# Altium PCB PCBv1.1.PcbDoc
Units mm, origin at the board's own origin, x right, y up, seen from the top; angles counter-clockwise.
Board outline 110 x 55 mm, 2 copper layers (Top Layer, Bottom Layer); 46 components, 62 nets, 209 pads, 51 vias.
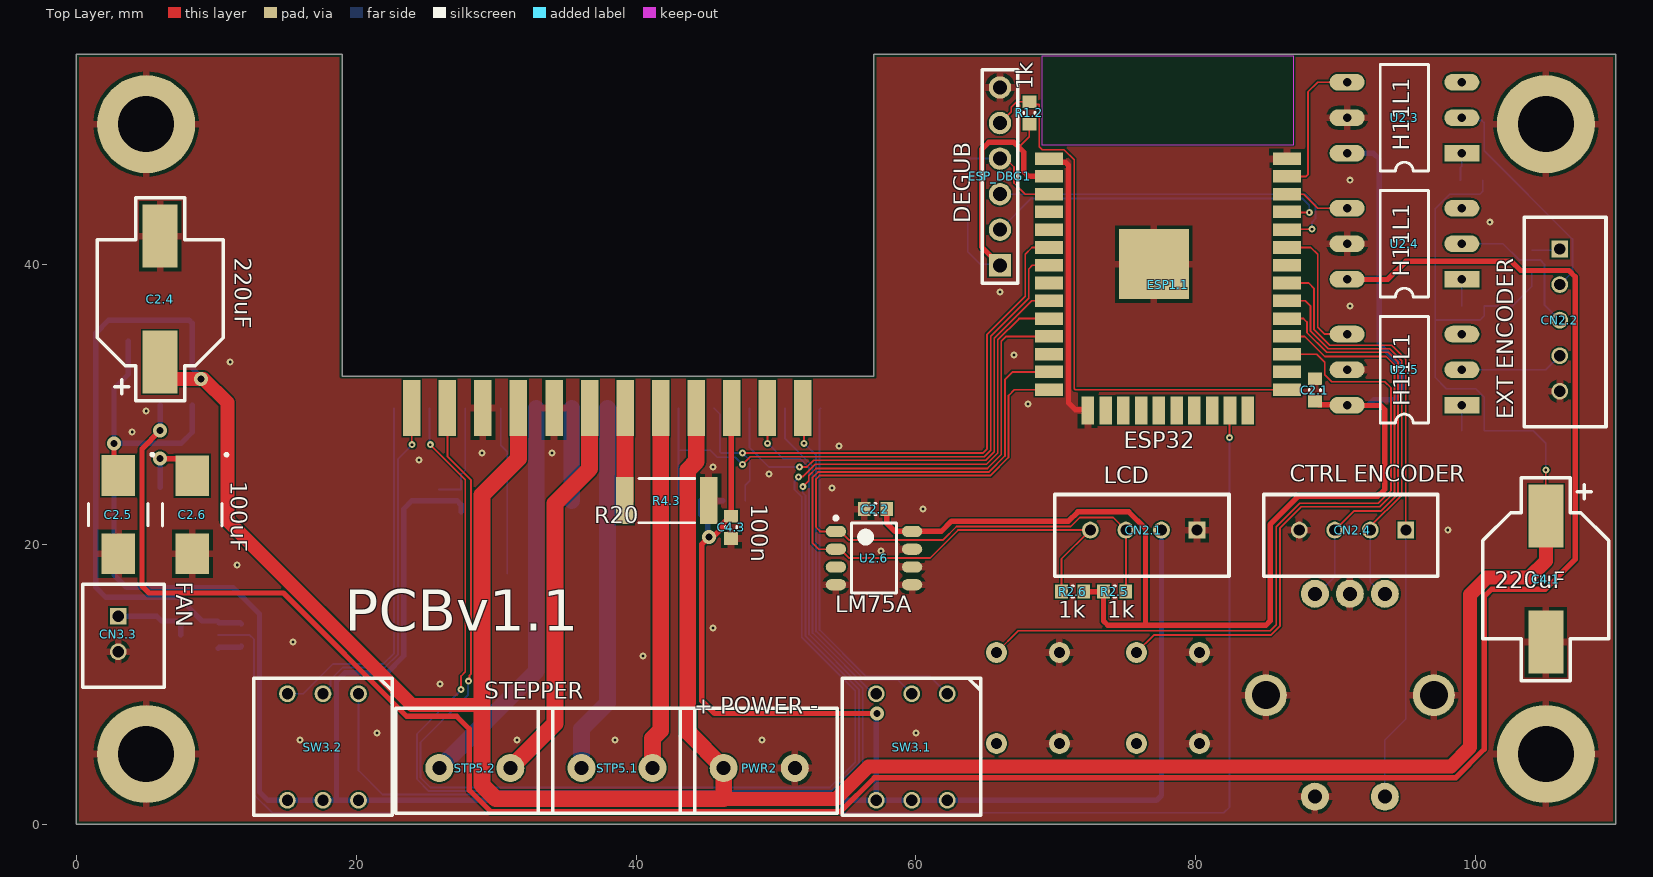
[diagram p0: Top Layer view]
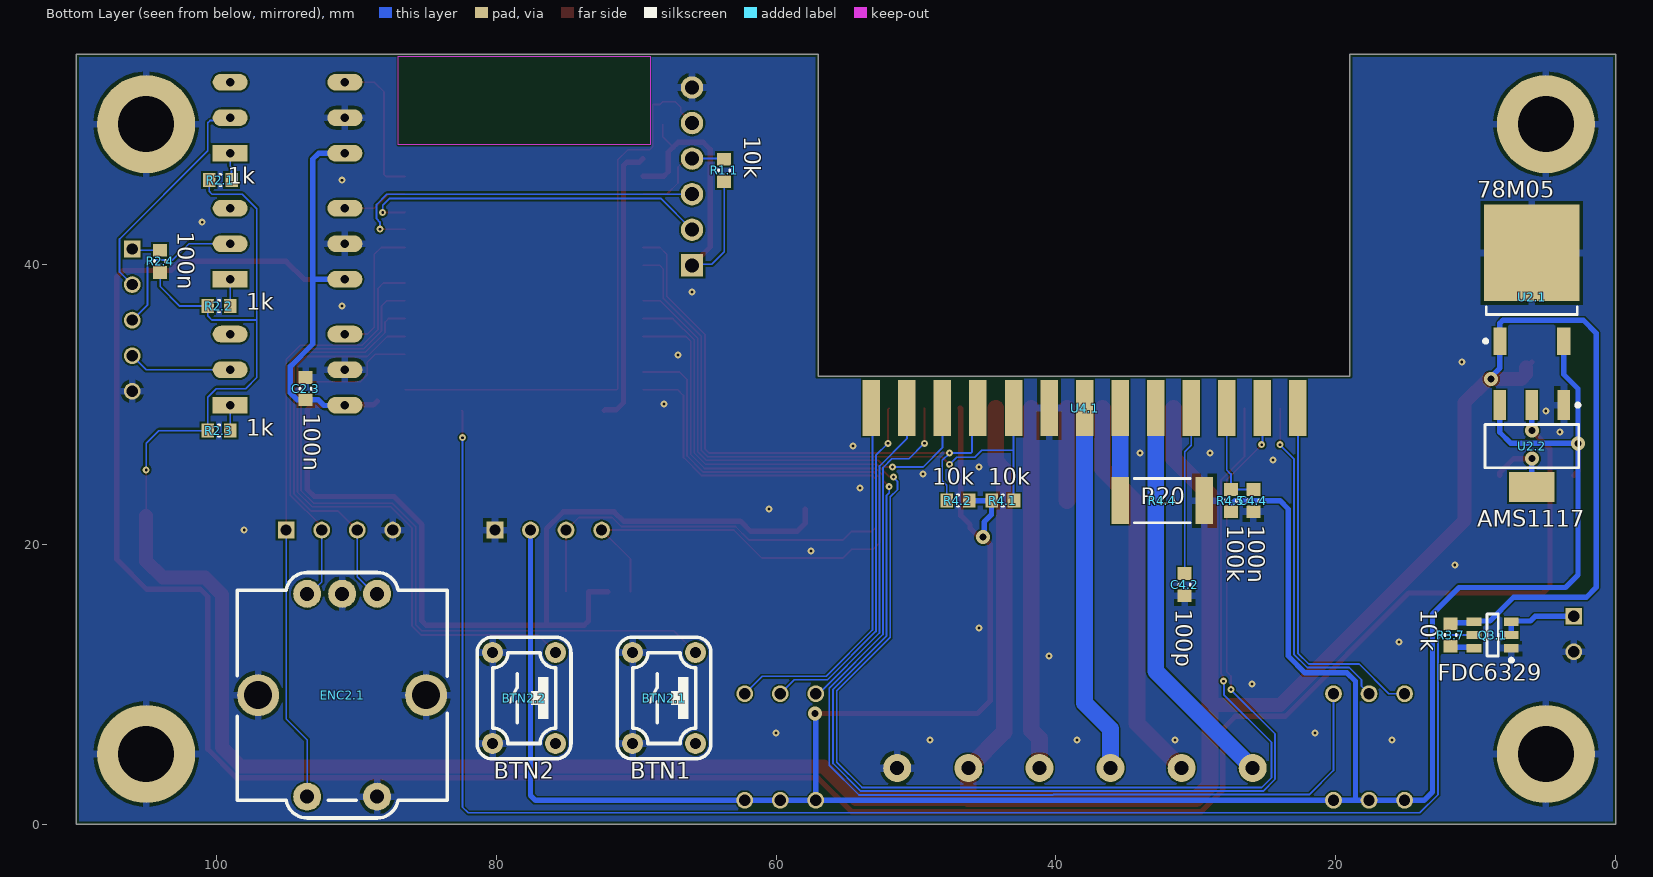
[diagram p1: Bottom Layer view, seen from below]

## Layer stack, top to bottom
Top Solder: solder mask 0.0102, Solder Resist, Dk 3.5
Top Layer: signal copper 0.0356
Dielectric 1: dielectric 0.32, FR-4, Dk 4.8
Bottom Layer: signal copper 0.0356
Bottom Solder: solder mask 0.0102, Solder Resist, Dk 3.5

## Board outline
0,0 0,55 19,55 19,32 57,32 57,55 110,55 110,0

## Design rules (kind name [scope] priority, off if disabled: settings)
BoardOutlineClearance [All] p1: gap=0.2 ignorepadtopadclearanceinfootprint=FALSE except(0.4: Arc-SplitBarrior Arc-SplitContinuation Track-SplitBarrior Track-SplitContinuation SMDPad-SplitBarrior SMDPad-SplitContinuation THPad-SplitBarrior THPad-SplitContinuation Via-SplitBarrior Via-SplitContinuation Fill-SplitBarrior Fill-SplitContinuation Poly-SplitBarrior Poly-SplitContinuation Region-SplitBarrior Region-SplitContinuation Text-SplitBarrior Text-SplitContinuation)
Clearance [All] p1: gap=0.127 ignorepadtopadclearanceinfootprint=FALSE
HoleSize [All] p1: absolutevalues=TRUE maxlimit=6.3 minlimit=0.2 maxpercent=80.000 minpercent=20.000
MinimumAnnularRing [All] p1: minimumring=0.13
MinimumSolderMaskSliver [All] p1: minsoldermaskwidth=0.1
PasteMaskExpansion [All] p1: expansion=0.05
PolygonConnect PolygonConnect_1 [All] p1: thpad.connectstyle=Relief thpad.reliefconductorwidth=0.508 thpad.reliefentries=4 thpad.polygonreliefangle="90 Angle" thpad.airgapwidth=0.254 smdpad.connectstyle=Relief smdpad.reliefconductorwidth=0.508 smdpad.reliefentries=4 smdpad.polygonreliefangle="90 Angle" smdpad.airgapwidth=0.254 via.connectstyle=Direct via.reliefconductorwidth=0.508 via.reliefentries=4 via.polygonreliefangle="90 Angle" via.airgapwidth=0.254
RoutingCorners [All] p1: cornerstyle=Round minsetback=2.54 maxsetback=2.54
RoutingVias [All] p1: holewidth=0.5 width=1 viastyle="Through Hole" minholewidth=0.2 minwidth=0.45 maxholewidth=1 maxwidth=2
SilkToSilkClearance [All] p1: silktosilkclearance=0.05
SilkToSolderMaskClearance [IsPad] p1: minsilkscreentomaskgap=0.05 clearancetoexposedcopper=TRUE
SolderMaskExpansion [All] p1: expansion=0.05 istentingtop=FALSE
UnRoutedNet [All] p1: checkbadconnections=TRUE
Width [All] p1: maxlimit=5 minlimit=0.127 preferedwidth=0.381
23 further rules are at their usual default settings.

## Classes and differential pairs
component class U_TB6560AHQ_stepper_driver: C4.1 C4.2 C4.3 C4.4 R4.1 R4.2 R4.3 R4.4 R4.5 U4.1
component class U_ESP32_WROOM2: ESP1.1 ESP_DBG1 R1.1 R1.2
component class top_sheet: STP5.1 STP5.2
component class stepper_cfg: CN3.3 Q3.1 R3.7 SW3.1 SW3.2
component class IO: BTN2.1 BTN2.2 C2.1 C2.2 C2.3 C2.4 C2.5 C2.6 CN2.1 CN2.2 CN2.4 ENC2.1 PWR2 R2.1 R2.2 R2.3 R2.4 R2.5 R2.6 U2.1 U2.2 U2.3 U2.4 U2.5 U2.6

## Components (designator, comment, footprint, x,y, rotation, side; value= is the part's Value field where it differs from the comment)
BTN2.1 "Momentary button" "BUTTON 6x6x5" 68,9 r180 bottom (schematic designator BTN1)
BTN2.2 "Momentary button" "BUTTON 6x6x5" 78,9 r180 bottom (schematic designator BTN2)
C2.1 "100n" CAPC0603(1608)55_N 88.5,31 r90 top (schematic designator C1)
C2.2 "100n" CAPC0603(1608)55_N 57.1,22.5 r180 top (schematic designator C2)
C2.3 "100n" CAPC0603(1608)55_N 93.6,31.1 r90 bottom (schematic designator C3)
C2.4 "100uF" "10x10.5 Capacitor" 6,33 r90 top locked (schematic designator C4)
C2.5 "100uF" TC7343 3,22.106 r270 top locked (schematic designator C5)
C2.6 "100uF" TC7343 8.3,22.1 r270 top locked (schematic designator C6)
C4.1 "100uF" "10x10.5 Capacitor" 105,22 r270 top locked (schematic designator C1)
C4.2 "100p" CAPC0603(1608)55_N 30.8,17.1 r270 bottom (schematic designator C2)
C4.3 "100n" CAPC0603(1608)55_N 46.8,21.2 r270 top (schematic designator C3)
C4.4 "100n" CAPC0603(1608)55_N 25.9,23.1 r270 bottom (schematic designator C4)
CN2.1 "LCD" "XH2.54 4P" 80.08,21 r270 top locked (schematic designator CN1)
CN2.2 "ENCODER" "XH2.54 5P" 106,41.08 r0 top locked (schematic designator CN2)
CN2.4 "PIN HEADER 1x4" "XH2.54 4P" 95,21 r270 top locked (schematic designator CN4)
CN3.3 "FAN" "XH2.54 2P" 3,14.84 r0 top locked (schematic designator CN3)
ENC2.1 "Encoder rotary 12mm" "Rotary Encoder" 91,9.2 r90 bottom (schematic designator ENC1)
ESP1.1 "ESP32" ESP32-WROOM 69.5,47.54 r0 top locked (schematic designator ESP1)
ESP_DBG1 "PIN HEADER 1x6" "PIN HEADER SINGLE 6" 66,39.92 r180 top locked (schematic designator ESP_DBG)
PWR2 "TBLOCK-M2" TBLOCK-M2 46.26,4 r0 top locked (schematic designator PWR)
Q3.1 "FDC6329L" SuperSOT-6 8.8,13.5 r0 bottom (schematic designator Q1)
R1.1 "10k" RESC0603(1608)_N 63.7,46.7 r90 bottom (schematic designator R1)
R1.2 "1k" RESC0603(1608)_N 68.1,50.8 r90 top (schematic designator R2)
R2.1 "1k" RESC0603(1608)_N 99.7,46 r0 bottom (schematic designator R1)
R2.2 "1k" RESC0603(1608)_N 99.8,37 r0 bottom (schematic designator R2)
R2.3 "1k" RESC0603(1608)_N 99.8,28.1 r0 bottom (schematic designator R3)
R2.4 "100" RESC0603(1608)_N 104,40.2 r270 bottom (schematic designator R4)
R2.5 "1k" RESC0603(1608)_N 74.2,16.6 r180 top (schematic designator R5)
R2.6 "1k" RESC0603(1608)_N 71.2,16.6 r0 top (schematic designator R6)
R3.7 "10k" RESC0603(1608)_N 11.8,13.5 r90 bottom (schematic designator R7)
R4.1 "10k" RESC0603(1608)_N 43.8,23.1 r0 bottom (schematic designator R1)
R4.2 "10k" RESC0603(1608)_N 47,23.1 r180 bottom (schematic designator R2)
R4.3 "TBD" RESC2512(6432)_N 42.2,23.1 r0 top (schematic designator R3)
R4.4 "TBD" RESC2512(6432)_N 32.4,23.1 r180 bottom (schematic designator R4)
R4.5 "100k" RESC0603(1608)_N 27.5,23.1 r270 bottom (schematic designator R5)
STP5.1 "TBLOCK-M2" TBLOCK-M2 36.1,4 r0 top locked (schematic designator STP1)
STP5.2 "TBLOCK-M2" TBLOCK-M2 25.94,4 r0 top locked (schematic designator STP2)
SW3.1 "DIP Switch 6P" "DIP Switch 6P" 62.24,9.31 r180 top locked (schematic designator SW1)
SW3.2 "DIP Switch 6P" "DIP Switch 6P" 20.17,9.31 r180 top locked (schematic designator SW2)
U2.1 "78M05" TO-252 6,38.9 r90 bottom (schematic designator U1)
U2.2 "AMS1117" SOT229P700X180-4N 6,27 r270 bottom (schematic designator U2)
U2.3 "H11L1" DIP06 99,47.92 r180 top locked (schematic designator U3)
U2.4 "H11L1" DIP06 99,38.92 r180 top locked (schematic designator U4)
U2.5 "H11L1" DIP06 99,29.92 r180 top locked (schematic designator U5)
U2.6 "LM75A" SO8 57,19 r0 top locked (schematic designator U6)
U4.1 "STP DRIVER" HZIP25_PCB 22.71,29.71 r0 bottom locked (schematic designator U1)

## Footprints (in the part's own frame and the unit in brackets; to place one, negate y for a bottom-side part, rotate by r counter-clockwise, add the part's x,y. Pads: shape width x height; smd on the part's side, far side on the other; paste and mask are expansions set on the pad)
"10x10.5 Capacitor" [mm]
  rect 4.5x2.5 smd: +(0,0) -(9,0)
  silkscreen extent -2.75,-4.5 11.75,4.5, body extent -0.7,-4.15 9.2,4.15, height 10.2
"BUTTON 6x6x5" [mm] "Micro push button"
  round 1.5 hole 0.8: 1(-2.25,-3.25) 1(-2.25,3.25) 2(2.25,-3.25) 2(2.25,3.25)
  silkscreen extent -3.35,-4.35 3.35,4.35, body extent -3,-4.11 3,4.11, height 10
CAPC0603(1608)55_N [mm] "Chip Capacitor, Body 1.6x0.8mm, Height 0.55mm, IPC Medium Density"
  rect 0.9x1 smd: 1(-0.8,0) 2(0.8,0)
  silkscreen extent -0.05,-0.4 0.05,0.4, body extent -0.87,-0.48 0.88,0.47, height 0.55
DIP06 [mm]
  rect 2.5x1.2 hole 0.6: 1(0,0)
  oval 2.5x1.2 hole 0.6: 2(0,-2.54) 3(0,-5.08) 4(8.2,-5.08) 5(8.2,-2.54) 6(8.2,0)
  silkscreen extent 2.38,-6.35 5.83,1.27, body extent -0.3,-6.1 8.52,1.02, height 4.62
"DIP Switch 6P" [mm]
  round 1.2 hole 0.8: 1(0,0) 2(2.54,0) 3(5.08,0) 4(5.08,7.62) 5(2.54,7.62) 6(0,7.62)
  silkscreen extent -2.4,-1.1 7.5,8.7, body extent -2.4,-1.08 7.48,8.7, height 8.5
ESP32-WROOM [mm] "ESP32-WROOM-32 is a powerful, generic Wi-Fi+BT+BLE MCU module"
  rect 2x0.9 smd: 1(0,0) 2(0,-1.27) 3(0,-2.54) 4(0,-3.81) 5(0,-5.08) 6(0,-6.35) 7(0,-7.62) 8(0,-8.89) 9(0,-10.16) 10(0,-11.43) 11(0,-12.7) 12(0,-13.97) 13(0,-15.24) 14(0,-16.51) 25(17,-16.51) 26(17,-15.24) 27(17,-13.97) 28(17,-12.7) 29(17,-11.43) 30(17,-10.16) 31(17,-8.89) 32(17,-7.62) 33(17,-6.35) 34(17,-5.08) 35(17,-3.81) 36(17,-2.54) 37(17,-1.27) 38(17,0)
  rect 0.9x2 smd: 15(2.775,-18) 16(4.045,-18) 17(5.315,-18) 18(6.585,-18) 19(7.855,-18) 20(9.125,-18) 21(10.395,-18) 22(11.665,-18) 23(12.935,-18) 24(14.205,-18)
  rect 5x5 smd: 39(7.5,-7.54)
  Keep-Out Layer region: -0.5,1 17.5,1 17.5,7.3 -0.5,7.3
  body extent -0.5,-18.05 17.5,7.45, height 2.91
HZIP25_PCB [mm] "IC packege HZIP 25 pins pitch 1.27mm"
  rect 1.25x4 smd: 1(0,0) 3(2.54,0) 5(5.08,0) 7(7.62,0) 9(10.16,0) 11(12.7,0) 13(15.24,0) 15(17.78,0) 17(20.32,0) 19(22.86,0) 21(25.4,0) 23(27.94,0) 25(30.48,0)
  rect 1.25x4 smd far side: 2(1.27,0) 4(3.81,0) 6(6.35,0) 8(8.89,0) 10(11.43,0) 12(13.97,0) 14(16.51,0) 16(19.05,0) 18(21.59,0) 20(24.13,0) 22(26.67,0) 24(29.21,0)
  body extent -2.76,-19.54 33.24,1.15, height 0.43
"PIN HEADER SINGLE 6" [mm]
  rect 1.6x1.6 hole 1: 1(0,0)
  round 1.6 hole 1: 2(0,-2.54) 3(0,-5.08) 4(0,-7.62) 5(0,-10.16) 6(0,-12.7)
  silkscreen extent -1.27,-13.97 1.27,1.27, body extent -1.27,-13.97 1.27,1.27, height 8.19
RESC0603(1608)_N [mm] "Chip Resistor, Body 1.6x0.8mm, IPC Medium Density"
  rect 0.9x1 smd: 1(-0.8,0) 2(0.8,0)
  silkscreen extent -0.05,-0.4 0.05,0.4, body extent -0.85,-0.47 0.85,0.47, height 0.6
RESC2512(6432)_N [mm] "Chip Resistor, Body 6.4x3.2mm, IPC Medium Density"
  rect 1.25x3.35 smd: 1(-3,0) 2(3,0)
  silkscreen extent -2,-1.57 2,1.58, body extent -3.13,-1.57 3.17,1.57, height 0.62
"Rotary Encoder" [mm] "12mm Rotary Encoder"
  round 3 hole 2: 0(0,-6) 0(0,6)
  round 2 hole 1: A(7.25,-2.5) B(7.25,2.5) B1(-7.25,-2.5) B2(-7.25,2.5) C(7.25,0)
  silkscreen extent -8.77,-7.5 8.77,7.5, body extent -7.5,-7.5 7.5,7.5, height 17.2
SO8 [mm] "SOIC, 8-Leads, Body 4,90x4,00mm, Pitch 1,27mm, IPC Medium Density"
  oval 1.45x0.8 smd: 1(-2.725,1.905) 2(-2.725,0.635) 3(-2.725,-0.635) 4(-2.725,-1.905) 5(2.725,-1.905) 6(2.725,-0.635) 7(2.725,0.635) 8(2.725,1.905)
  silkscreen extent -2.85,-2.5 1.6,2.98, body extent -3.08,-2.5 3.08,2.5, height 2
SOT229P700X180-4N [mm] "SOT223, 4-Leads, Body 6,50x7,00mm (avg), Pitch 2,29mm, IPC Medium Density"
  rect 2.15x0.9 smd: 1(-2.93,2.29) 2(-2.93,0) 3(-2.93,-2.29)
  rect 2.15x3.25 smd: 4(2.93,0)
  silkscreen extent -3.05,-3.35 1.55,3.41, body extent -3.54,-3.25 3.54,3.25, height 1.65
SuperSOT-6 [mm] "SOT23, 6-Leads, Body 2,92x2,84mm, Pitch 0,95mm, IPC Medium Density"
  rect 1.05x0.6 smd: 1(-1.335,0.95) 2(-1.335,0) 3(-1.335,-0.95) 4(1.335,-0.95) 5(1.335,0) 6(1.335,0.95)
  silkscreen extent -1.46,-1.5 0.4,1.92, body extent -1.21,-1.39 1.21,1.4, height 1.09
TBLOCK-M2 [mm]
  round 2 hole 1: 1(0,0) 2(5.08,0)
  silkscreen extent -3.1,-3.24 8.1,4.26, body extent -3.08,-3.24 8.08,4.26, height 10
TC7343 [mm] "Chip Capacitor, 2-Leads, Body 7,30x4,30mm, IPC Medium Density"
  rect 2.9x2.4 smd: +(-2.794,0) -(2.794,0)
  silkscreen extent -4.39,-2.12 0.8,2.54, body extent -3.7,-2.22 3.7,2.22, height 3.01
TO-252 [mm] "D-PAK, 3-Pads, Body 6,21x6,61mm (max), IPC Medium Density"
  rect 1.95x0.95 smd: 1(-4.4,2.28) 3(-4.4,-2.28)
  rect 6.9x6.8 smd: 2(1.9,0)
  silkscreen extent -4.52,-3.25 -1.95,3.43, body extent -4.89,-3.3 4.81,3.28, height 2.3
"XH2.54 2P" [mm]
  rect 1.2x1.2 hole 0.8: 1(0,0)
  round 1.2 hole 0.8: 2(0,-2.54)
  silkscreen extent -2.54,-5.08 3.3,2.29, body extent -2.49,-4.88 3.35,2.34, height 7.21
"XH2.54 4P" [mm]
  rect 1.2x1.2 hole 0.8: 1(0,0)
  round 1.2 hole 0.8: 2(0,-2.54) 3(0,-5.08) 4(0,-7.62)
  silkscreen extent -2.54,-10.16 3.3,2.29, body extent -2.49,-9.96 3.35,2.34, height 7.21
"XH2.54 5P" [mm]
  rect 1.2x1.2 hole 0.8: 1(0,0)
  round 1.2 hole 0.8: 2(0,-2.54) 3(0,-5.08) 4(0,-7.62) 5(0,-10.16)
  silkscreen extent -2.54,-12.7 3.3,2.29, body extent -2.49,-12.5 3.35,2.34, height 7.21

## Part data
BTN2.1 BTN2.2: library part Button
C2.1 C2.2 C2.3 C4.2 C4.3 C4.4: library part "Capacitor M", "Ceramic capacitor Medium density"
C2.4 C2.5 C2.6 C4.1: library part "Capacitor Electrolitic", "Capacitor Electrolitic"
CN2.1 CN2.4: library part "PIN HEADER 2.54 1x4"
CN2.2: library part "PIN HEADER 2.54 1x5"
CN3.3: library part "PIN HEADER 2.54 1x2"
ENC2.1: library part Encoder, "12mm Rotary Encoder w Button"
ESP1.1: library part ESP32S, "ESP32-WROOM-32 is a powerful, generic Wi-Fi+BT+BLE MCU module"
ESP_DBG1: library part "PIN HEADER 2.54 1x6"
Q3.1: "2A Integrated Load Switch SuperSOT-6 SMD"
R1.1 R1.2 R2.1 R2.2 R2.3 R2.4 R2.5 R2.6 R3.7 R4.1 R4.2 R4.3 R4.4 R4.5: library part "Resistor M", "Resistor Medium Density"
U2.1: "Linear Voltage Regulator", DC Input Voltage MAX=30V, Output Current=300..700mA
U2.2: "800mA LDO  15V max"
U2.6: "Digital temperature sensor"
U4.1: library part TB6560AHQ, "PWM chopper-type stepping motor / driver IC designed for sinusoidal-input microstep control of / bipolar stepping motors", I out="3.5 A", VDD=5V, VDSS Max=40V
U2.3 U2.4 U2.5: If max=30mA, If ON/OFF=1mA, Vf (10mA)=1.2V

## Free pads (board coordinates)
  round 7 hole 4: ""(5,5) ""(5,50) ""(105,5) ""(105,50)

## Via types
v1: diameter 0.5, hole 0.2, Top Layer to Bottom Layer, 45 vias
v2: diameter 1, hole 0.5, Top Layer to Bottom Layer, 6 vias

## Nets (pads, with @x,y where several pads share a name; then routed paths per layer and width w, separated by ;. In a path a pad name is that pad's centre, name@x,y a point inside that pad or via, vN(x,y) a via of type N, cw(c..) or ccw(c..) an arc to the next point about the centre after c; other vN are vias at no path point)
+3.3V: ESP1.1.2 ESP_DBG1.1 R1.1.1 R1.2.1 | length 25.3
  Top Layer w0.127: 67.35,48.35 68.1,49.1 R1.2.1
  Top Layer w0.381: ESP_DBG1.1 64.7,41.22 64.7,48.2 65.2,48.7 67,48.7 67.35,48.35 67.7,48 67.7,46.6 68.03,46.27 ESP1.1.2
  Bottom Layer w0.127: R1.1.1 63.7,40.9 64.6,40 65.92,40 ESP_DBG1.1
+3V3: C2.1.1 C2.2.1 C2.3.1 R2.5.2 R2.6.2 U2.2.2 U2.3.6 U2.4.6 U2.5.6 U2.6.8 | length 273.3
  Top Layer w0.381: v2(6,28.1) 4.7,26.8 4.7,17 5.2,16.5 14.8,16.5 23.6,7.7 27.182,7.7 28.082,6.8 28.082,2.42 29.62,0.883 54.6,0.883 57.017,3.3 98.556,3.3 100.6,5.344 100.6,16.244 101.128,16.772 104.972,16.772 107.1,18.9 107.1,39.1 106.658,39.542 103.208,39.542 102.55,40.2 95,40.2 93.7,38.9 90.82,38.9 U2.4.6 ; C2.2.1 57.9,21.5 58.495,20.905 U2.6.8 61.805,20.905 62.535,21.635 70.896,21.635 71.561,22.3 75.2,22.3 76.4,21.1 76.4,14.2 ; R2.6.2 R2.5.2 73.4,14.5 73.7,14.2 76.4,14.2 ; C2.1.1 88.757,29.943 90.777,29.943 U2.5.6 90.82,29.9 93.2,29.9 93.5,29.6 93.5,23.916 92.984,23.4 87.3,23.4 85.3,21.4 85.3,14.5 85,14.2 76.4,14.2
  Bottom Layer w0.381: v2(6,28.1) U2.2.2 ; U2.5.6 90.82,29.9 92.3,29.9 92.7,30.3 C2.3.1 94.2,30.3 94.7,30.8 94.7,32.7 93.1,34.3 93.1,38.9 ; U2.4.6 93.08,38.92 93.1,38.9 ; U2.3.6 92.68,47.92 93.1,47.5 93.1,38.9
+5: C2.5.+ C4.3.1 CN2.1.2 R4.1.2 R4.2.2 R4.5.2 SW3.1.4 SW3.1.5 SW3.1.6 SW3.2.4 SW3.2.5 SW3.2.6 U2.1.3 U2.2.3 U4.1.20 | length 210.5
  Top Layer w0.381: v2(2.7,27.2) 2.7,25.2 C2.5.+ ; U4.1.20 46.8,29.67 C4.3.1 46.75,22 46.142,21.392 46.142,21.142 45.619,20.618 45.318,20.618 44.7,20 44.7,8.8 45.6,7.9 v2(57.2,7.9)
  Bottom Layer w0.381: U2.1.3 3.72,32.12 2.7,31.1 v2(2.7,27.2) ; U2.2.3 8.29,27.99 7.5,27.2 v2(2.7,27.2) ; R4.5.2 27.5,22.8 27.2,23.1 24,23.1 23.4,22.5 23.4,12 22.2,10.8 19.2,10.8 18.6,10.2 18.6,1.69 ; v2(45.2,20.5) 45.128,20.571 45.128,21.572 44.6,22.1 R4.1.2 R4.2.2 ; v2(57.2,7.9) 57.16,7.86 SW3.1.4 ; CN2.1.2 77.54,2.04 77.19,1.69 SW3.1.6 SW3.1.5 SW3.1.4 ; v2(2.7,27.2) 2.7,17.8 3.6,16.9 11.2,16.9 13.1,15 13.1,2.3 13.71,1.69 SW3.2.4 SW3.2.5 18.6,1.69 ; 18.6,1.69 SW3.2.6 SW3.1.4
+12: C2.4.+ C4.1.+ PWR2.1 Q3.1.4 R2.1.2 R2.2.2 R2.3.2 R2.4.2 R3.7.2 U2.1.1 U4.1.8 U4.1.18 | length 272.4
  Top Layer w0.127: C4.1.+ v1(105,25.3)
  Top Layer w0.381: C2.4.+ C2.4.+@6.4,32.6
  Top Layer w1: C2.4.+@6.4,32.6 6.4,32.15 6.75,31.8 9.1,31.8 10.8,30.1 10.8,21.7 23.982,8.518 27.521,8.518 27.539,8.5 29,8.5 ; 46.169,1.8 54.3,1.8 56.617,4.118 98.217,4.118 99.6,5.5 99.6,16.4 100.8,17.6 103.8,17.6 105,18.8 C4.1.+
  Top Layer w1.2: U4.1.8 31.6,26.1 29,23.5 29,8.5 29,2.8 30,1.8 46.169,1.8 ; U4.1.18 44.3,25.9 43.7,25.3 43.7,6.56 PWR2.1 46.26,1.8
  Bottom Layer w0.127: R2.1.2 100.5,45.2 100.3,45 98.138,45 97.1,43.962 97.1,36 ; R2.4.2 104,38.4 102.6,37 R2.2.2 100.6,36.3 100.3,36 97.1,36 ; v1(105,25.3) 105,27.2 104.1,28.1 R2.3.2 100.6,30.5 100,31.1 97.9,31.1 97.1,31.9 97.1,36
  Bottom Layer w0.381: v2(8.9,31.8) 8.9,31.968 8.28,32.588 8.28,35.777 8.057,36 2.323,36 1.4,35.077 1.4,16.9 2.1,16.2 7.3,16.2 9,14.5 10.085,14.5 Q3.1.4 10.21,14.375 11.725,14.375 R3.7.2
A+: STP5.1.2 U4.1.16 | length 26
  Top Layer w1.2: STP5.1.2 41.18,6.1 41.76,6.68 U4.1.16
A-: STP5.1.1 U4.1.13 | length 26.5
  Bottom Layer w1.2: STP5.1.1 36.1,6.8 37.95,8.65 U4.1.13
AN0: ESP1.1.4
AN1: ESP1.1.5
B+: STP5.2.2 U4.1.12 | length 28.1
  Top Layer w1.2: STP5.2.2 34.2,7.18 34.2,22.9 36.68,25.38 U4.1.12
B-: STP5.2.1 U4.1.9 | length 28.6
  Bottom Layer w1.2: STP5.2.1 32.87,10.93 U4.1.9
BOOT: ESP1.1.25 ESP_DBG1.5 R1.2.2 | length 41.2
  Top Layer w0.127: ESP_DBG1.5 66.8,50.88 66.8,51.2 67.2,51.6 R1.2.2 68.3,51.4 68.8,51.4 68.8,48.4 69.019,48.181 70.579,48.181 71.3,47.459 71.3,31.104 71.374,31.03 ESP1.1.25
BTN1: BTN2.1.2 ESP1.1.27 | length 53.4
  Top Layer w0.127: BTN2.1.2@65.75,12.25 67.3,13.8 85.3,13.8 85.746,14.246 85.746,21.246 87.413,22.913 93.036,22.913 93.938,23.816 93.938,31.162 93.5,31.6 89.7,31.6 89.2,32.1 89.2,33 88.63,33.57 ESP1.1.27
BTN2: BTN2.2.2 ESP1.1.28 | length 44.9
  Top Layer w0.127: BTN2.2.2@75.75,12.25 77,13.5 85.359,13.5 86,14.141 86,21.141 87.518,22.659 93.141,22.659 94.192,23.71 94.192,32.808 93.6,33.4 89.2,33.4 87.76,34.84 ESP1.1.28
DCY1: SW3.1.1 U4.1.25 | length 26.9
  Bottom Layer w0.127: U4.1.25 53.116,29.636 53.116,13.862 56.424,10.554 60.996,10.554 SW3.1.1
DCY2: SW3.1.2 U4.1.24 | length 25
  Top Layer w0.127: U4.1.24 52,29.63 v1(52,27.2)
  Bottom Layer w0.127: v1(52,27.2) 52.862,26.338 52.862,13.757 56.319,10.3 58.71,10.3 SW3.1.2
DRIVER_CTRL.CLK: ESP1.1.11 U4.1.3 | length 110.2
  Top Layer w0.127: v1(25.3,27.1) 27.8,24.6 27.8,10.875 27.5,10.575 v1(27.5,9.6) ; v1(51.913,24.1) 52.346,24.532 52.346,24.887 52.859,25.4 65.1,25.4 66.1,26.4 66.1,34.482 66.458,34.84 ESP1.1.11
  Bottom Layer w0.127: U4.1.3 25.25,27.15 v1(25.3,27.1) ; v1(27.5,9.6) 24.346,6.446 24.346,3.465 24.346,3.195 25.187,2.354 25.457,2.354 53.954,2.354 55.92,4.32 55.92,9.62 52.1,13.441 52.1,23.475 51.916,23.66 51.916,24.098 v1(51.913,24.1)
DRIVER_CTRL.DIR: ESP1.1.9 U4.1.21 | length 34.4
  Top Layer w0.127: v1(51.687,25.51) 52.21,25.51 52.692,25.992 64.974,25.992 65.592,26.61 65.592,34.692 68.28,37.38 ESP1.1.9
  Bottom Layer w0.127: U4.1.21 48.11,26.89 49.5,25.5 51.677,25.5 v1(51.687,25.51)
DRIVER_CTRL.EN: ESP1.1.10 U4.1.4 | length 110.3
  Top Layer w0.127: U4.1.4 26.52,26.28 28.2,24.6 28.2,10.704 28.094,10.598 28.094,10.271 v1(28.023,10.2) ; v1(51.6,24.8) 51.634,24.834 51.934,24.834 52.8,25.7 65.041,25.7 65.846,26.505 65.846,34.587 67.369,36.11 ESP1.1.10
  Bottom Layer w0.127: v1(28.023,10.2) 28,10.177 28,9.241 24.6,5.841 24.6,3.3 25.292,2.608 53.849,2.608 55.666,4.426 55.666,9.515 51.841,13.341 51.846,13.346 51.846,23.37 51.316,23.9 51.316,24.461 51.6,24.745 v1(51.6,24.8)
DRV_RST: C4.4.1 R4.5.1 U4.1.5 | length 7.5
  Bottom Layer w0.127: C4.4.1 R4.5.1 27.5,25 27.79,25.29 U4.1.5
DTR: ESP1.1.3 ESP_DBG1.4 R1.1.2 | length 7.5
  Top Layer w0.127: ESP_DBG1.4 66.399,47.54 67,46.939 67,45.8 67.8,45 ESP1.1.3
  Bottom Layer w0.127: R1.1.2 63.74,47.54 ESP_DBG1.4
E_ENC_A: ESP1.1.37 U2.3.4 | length 10.5
  Top Layer w0.127: ESP1.1.37 87.87,46.27 88,46.4 88,52.3 88.7,53 U2.3.4
E_ENC_B: ESP1.1.36 U2.4.4 | length 4.7
  Top Layer w0.127: ESP1.1.36 87.7,45 88.7,44 U2.4.4
E_ENC_Z: ESP1.1.33 U2.5.4 | length 9.9
  Top Layer w0.127: ESP1.1.33 88.21,41.19 88.7,40.7 88.7,35.5 89.2,35 U2.5.4
ERR: ESP1.1.6 R4.2.1 U4.1.19 | length 43.2
  Top Layer w0.127: v1(47.6,26.5) 64.763,26.5 65.084,26.821 65.084,34.984 67.8,37.7 67.8,40.7 68.29,41.19 ESP1.1.6
  Bottom Layer w0.127: U4.1.19 46,29.28 46,26.574 46.074,26.5 v1(47.6,26.5) 48.115,25.984 48.115,24.516 47.8,24.2 R4.2.1
FAN_ON: ESP1.1.23 Q3.1.5 | length 112.5
  Top Layer w0.127: v1(82.4,27.6) 82.4,29.505 ESP1.1.23
  Bottom Layer w0.127: Q3.1.5 12.4,13.5 12.7,13.2 12.7,2.1 14,0.8 82,0.8 82.4,1.2 v1(82.4,27.6)
GND: BTN2.1.1 BTN2.2.1 C2.1.2 C2.2.2 C2.3.2 C2.4.- C2.5.- C2.6.- C4.1.- C4.2.2 C4.3.2 C4.4.2 CN2.1.1 CN2.2.5 CN2.4.4 CN3.3.2 ENC2.1.0 ENC2.1.B1 ENC2.1.C ESP1.1.1 ESP1.1.15 ESP1.1.38 ESP1.1.39 ESP_DBG1.6 pad. PWR2.2 Q3.1.1 R4.3.2 R4.4.2 U2.1.2 U2.2.1 U2.3.5 U2.4.5 U2.5.5 U2.6.4 U2.6.5 U2.6.6 U2.6.7 U4.1.6 U4.1.10 U4.1.15 | length 20.2
  Top Layer w0.381: ESP1.1.1 69.759,47.28 70.677,47.28 70.9,47.057 70.9,30.1 71.4,29.6 72.215,29.6 ESP1.1.15
  other v1: 16,6 31.5,6 38.5,6 49,6 21.5,6.5 60,6.5 26,10 40.5,12 15.5,13 45.5,14 11.5,18.5 57.5,19.5 98,21 60.5,22.5 54,24 49.5,25 45.5,25.5 24.5,26 29,26.5 34,26.5 54.5,27 4,28 5,29.5 68,30 11,33 67,33.5 91,37 66,38 101,43 91,46
I_ENC_A: CN2.4.3 ENC2.1.A ESP1.1.29 | length 30
  Top Layer w0.127: ESP1.1.29 87.69,36.11 87.938,35.862 87.938,35.103 89.341,33.7 93.741,33.7 94.446,32.995 94.446,23.605 93.195,22.354 91.274,22.354 CN2.4.3
  Bottom Layer w0.127: ENC2.1.A@88.5,16.25 89.92,17.67 CN2.4.3
I_ENC_B: CN2.4.2 ENC2.1.B ESP1.1.30 | length 29.2
  Top Layer w0.127: ESP1.1.30 87.812,37.38 88.192,37 88.192,35.208 89.446,33.954 93.846,33.954 94.7,33.1 94.7,23.5 92.46,21.26 CN2.4.2
  Bottom Layer w0.127: CN2.4.2 92.46,17.29 ENC2.1.B@93.5,16.25
I_ENC_BTN: CN2.4.1 ENC2.1.B2 ESP1.1.31 | length 44.6
  Top Layer w0.127: ESP1.1.31 88.05,38.65 88.446,38.254 88.446,35.313 89.551,34.208 93.992,34.208 95,33.2 CN2.4.1
  Bottom Layer w0.127: ENC2.1.B2@93.5,1.75 93.5,6 95,7.5 CN2.4.1
IO2: ESP1.1.24
IO4: ESP1.1.26
IO6: ESP1.1.20
IO7: ESP1.1.21
IO8: ESP1.1.22
IO9: ESP1.1.17
IO10: ESP1.1.18
IO11: ESP1.1.19
IO13: ESP1.1.16
IO27: ESP1.1.12
IO32: ESP1.1.8
M1: SW3.1.3 U4.1.23 | length 23.3
  Bottom Layer w0.127: U4.1.23 50.65,27.528 52.608,25.57 52.608,13.652 SW3.1.3@57.16,9.1
M2: SW3.2.1 U4.1.22 | length 72.2
  Top Layer w0.127: U4.1.22 49.4,29.69 v1(49.4,27.2)
  Bottom Layer w0.127: SW3.2.1 20.17,3.83 21.9,2.1 40.171,2.1 40.2,2.071 54.071,2.071 56.2,4.2 56.2,9.7 52.354,13.546 52.354,25.465 51.719,26.1 50.5,26.1 v1(49.4,27.2)
MO: ESP1.1.7 R4.1.1 U4.1.17 | length 45.4
  Top Layer w0.127: v1(47.6,25.7) 47.611,25.7 48.157,26.246 64.868,26.246 65.338,26.716 65.338,34.838 68.054,37.554 68.054,39.654 68.32,39.92 ESP1.1.7
  Bottom Layer w0.127: R4.1.1 43.03,23.13 43.03,26.7 ; U4.1.17 43.03,26.7 ; v1(47.6,25.7) 47.1,26.2 45.8,26.2 45.3,26.7 43.03,26.7
NetC2.6_+: C2.6.+ U2.2.4 | length 4.9
  Top Layer w0.381: v2(6,26.1) 7.29,26.1 8.3,25.091 C2.6.+
  Bottom Layer w0.381: U2.2.4 v2(6,26.1)
NetC4.2_1: C4.2.1 U4.1.7 | length 12
  Bottom Layer w0.127: U4.1.7 30.33,27.07 30.8,26.6 C4.2.1
NetCN2.2_1: CN2.2.1 R2.4.1 | length 2
  Bottom Layer w0.127: R2.4.1 105.92,41 CN2.2.1
NetCN2.2_2: CN2.2.2 U2.3.2 | length 16.3
  Bottom Layer w0.127: U2.3.2 99.2,50.26 100.44,50.26 100.6,50.1 100.6,48.1 106.9,41.8 106.9,39.44 CN2.2.2
NetCN2.2_3: CN2.2.3 U2.4.2 | length 11
  Bottom Layer w0.127: U2.4.2 101.94,41.46 103.1,40.3 104.6,40.3 104.9,40 104.9,37.1 CN2.2.3
NetCN2.2_4: CN2.2.4 U2.5.2 | length 7.4
  Bottom Layer w0.127: U2.5.2 105,32.46 CN2.2.4
NetCN3.3_1: CN3.3.1 Q3.1.2 Q3.1.3 | length 5.6
  Bottom Layer w0.381: CN3.3.1 5.76,14.84 6.1,14.5 7.415,14.5 Q3.1.3 Q3.1.2
NetQ3.1_6: Q3.1.6 R3.7.1 | length 1.7
  Bottom Layer w0.381: Q3.1.6 10.21,12.625 11.725,12.625 R3.7.1
NetR2.1_1: R2.1.1 U2.3.1 | length 2
  Bottom Layer w0.127: R2.1.1 98.9,46.9 99,47 U2.3.1
NetR2.2_1: R2.2.1 U2.4.1 | length 1.9
  Bottom Layer w0.127: R2.2.1 U2.4.1
NetR2.3_1: R2.3.1 U2.5.1 | length 1.8
  Bottom Layer w0.127: R2.3.1 U2.5.1
NetR4.3_1: R4.3.1 U4.1.14 | length 6.6
  Top Layer w1: R4.3.1 R4.3.1@39.21,23.11 ; U4.1.14@39.21,29.7 U4.1.14
  Top Layer w1.2: R4.3.1@39.21,23.11 U4.1.14@39.21,29.7
NetR4.4_1: R4.4.1 U4.1.11 | length 6.6
  Bottom Layer w1: R4.4.1 R4.4.1@35.405,23.105 ; U4.1.11@35.405,29.705 U4.1.11
  Bottom Layer w1.2: R4.4.1@35.405,23.105 U4.1.11@35.405,29.705
RXD: ESP1.1.35 ESP_DBG1.2 | length 25.3
  Top Layer w0.127: ESP1.1.35 86.53,43.7 v1(88.1,43.7)
  Bottom Layer w0.127: ESP_DBG1.2 68.24,44.7 87.6,44.7 88.1,44.2 v1(88.1,43.7)
SCL: CN2.1.4 ESP1.1.13 R2.6.1 U2.6.2 | length 54.3
  Top Layer w0.127: ESP1.1.13 66.9,32.3 66.354,31.754 66.354,26.295 65.205,25.146 53,25.146 52.6,24.746 52.6,20.1 53.065,19.635 U2.6.2 54.6,19.635 55.235,19 61,19 63,21 CN2.1.4 70.4,18.94 R2.6.1
SDA: CN2.1.3 ESP1.1.14 R2.5.1 U2.6.1 | length 53.3
  Top Layer w0.127: ESP1.1.14 67.03,31.03 66.608,30.608 66.608,26.19 65.31,24.892 53.105,24.892 52.854,24.641 52.854,21.2 53.149,20.905 U2.6.1 54.6,20.905 55.205,20.3 61.941,20.3 62.895,21.254 71.054,21.254 71.7,21.9 74.1,21.9 CN2.1.3 R2.5.1
TQ1: SW3.2.2 U4.1.2 | length 24.8
  Top Layer w0.127: U4.1.2 23.98,27.12 v1(24,27.1)
  Bottom Layer w0.127: SW3.2.2 18.168,9.848 18.168,10.307 19.042,11.181 22.042,11.181 23,12.139 23,26.1 v1(24,27.1)
TQ2: SW3.2.3 U4.1.1 | length 26.3
  Bottom Layer w0.127: SW3.2.3 16.21,9.31 18.335,11.435 21.937,11.435 22.71,12.208 U4.1.1
TXD: ESP1.1.34 ESP_DBG1.3 | length 26.5
  Top Layer w0.127: ESP1.1.34 86.54,42.5 v1(88.3,42.5)
  Bottom Layer w0.127: ESP_DBG1.3 87.8,45 88.54,44.259 88.54,43.243 88.3,43.002 v1(88.3,42.5)
pads on no net: ESP1.1.32 U2.3.3 U2.4.3 U2.5.3 U2.6.3

## Polygon pours and split planes (outlines as drawn)
GND on Top Layer "TOP_GND" (solid, remove dead copper, pour order 0): 0,0 0,55 19,55 19,32 57,32 57,55 110,55 110,0
GND on Bottom Layer "BOT_GND" (solid, remove dead copper, pour order 1): 0,0 0,55 19,55 19,32 57,32 57,55 110,55 110,0

## Silkscreen, mask and mechanical layers (free items; w line width, h text height)
Top Overlay:
  text "1k" at 68.742,52.456 h2 r90
  text "H11L1" at 95.642,48.102 h2 r90
  text "DEGUB" at 64.262,42.937 h2 r90
  text "220uF" at 10.947,40.468 h2 r270
  text "H11L1" at 95.642,39.102 h2 r90
  text "H11L1" at 95.662,29.835 h2 r90
  text "EXT ENCODER" at 103.062,28.904 h2 r90
  text "ESP32" at 74.837,26.438 h2
  text "100uF" at 10.647,24.496 h2 r270
  text "CTRL ENCODER" at 86.713,24.049 h2
  text "LCD" at 73.431,23.938 h2
  text "100n" at 47.848,22.83 h2 r270
  text "R20" at 37.007,21.1 h2
  text "FAN" at 6.738,17.32 h2 r270
  text "220uF" at 101.351,16.434 h2
  text "LM75A" at 54.231,14.747 h2
  text "1k" at 73.656,14.358 h2
  text "1k" at 70.159,14.347 h2
  text "PCBv1.1" at 19.193,12.842 h5
  text "STEPPER" at 29.18,8.538 h2
  text "+ POWER -" at 44.15,7.485 h2
Bottom Overlay:
  text "10k" at 62.653,49.155 h2 r90
  text "1k" at 99.172,45.358 h2
  text "78M05" at 9.886,44.338 h2
  text "100n" at 103.153,42.33 h2 r90
  text "1k" at 97.844,36.358 h2
  text "100n" at 94.153,29.33 h2 r90
  text "1k" at 97.844,27.358 h2
  text "10k" at 44.841,23.847 h2
  text "10k" at 48.83,23.847 h2
  text "R20" at 33.927,22.447 h2
  text "100n" at 26.653,21.338 h2 r90
  text "100k" at 28.153,21.338 h2 r90
  text "AMS1117" at 9.886,20.838 h2
  text "10k" at 14.32,15.356 h2 r90
  text "100p" at 31.82,15.356 h2 r90
  text "FDC6329" at 12.713,9.838 h2
  text "BTN1" at 70.398,2.858 h2
  text "BTN2" at 80.172,2.858 h2
Board Overlay:
  lines w0.254: 0,0 110,0 110,55 57,55 57,32 19,32 19,50 19,55 0,55 0,0

## Text inside footprints (layer, text, board x,y; h text height)
U4.1: Mechanical 1 "board edge" at -18.674,32.542 h3